# Altium PCB AirPi_Sensor.PcbDoc (continued)
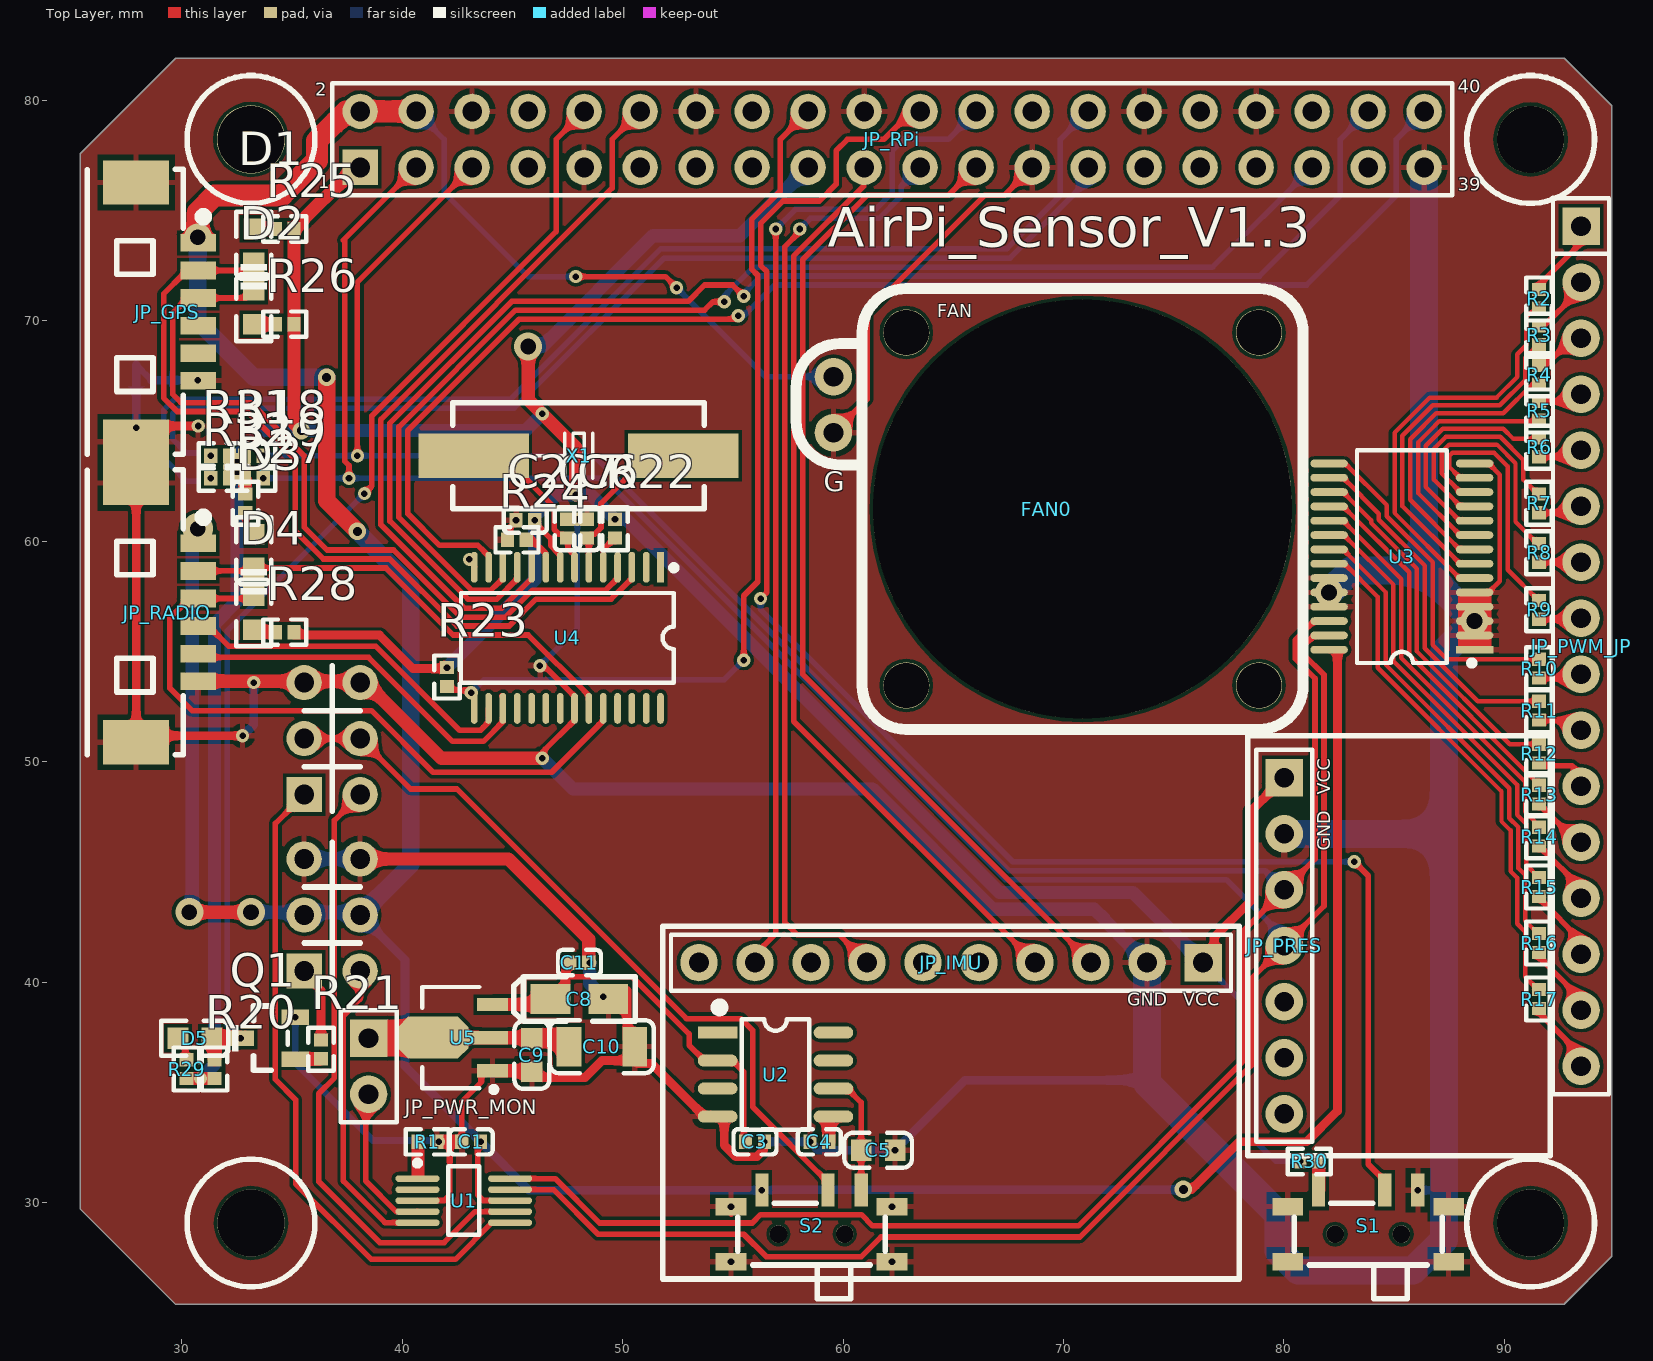
[diagram p0: Top Layer view]
## Part data (continued)
JP_GPS JP_RADIO: library part "Header 6", "6P接插件", BOM名称=6P接, 学习资源=www.ooocke.
JP_IIC0: library part "Header 4", "4P接插件", BOM名称=4P接, 学习资源=www.ooocke.
JP_IMU: library part "Header 10", "10P接插件", BOM名称=10P接, 学习资源=www.ooocke.
JP_PRES: library part "Header 7", "7P接插件", BOM名称=7P接, 学习资源=www.ooocke.
JP_PWM_JP: library part "Header 16", "16P接插件", BOM名称=16P接, 学习资源=www.ooocke.
JP_PWR_MON: library part "Header 2", "2P接插件", BOM名称=2P接, 学习资源=www.ooocke.
JP_RPi: library part "Header 20X2", "20*2P接插件"
Q1: library part "SOT-23 SS8050 Y1", "三极管", Package=SOT-23, SuppliersPartNumber=C2150, ComponentLink1Description=供应商, ComponentLink1URL=http://www.szlcsc.com/product/details_2507.html, Supplier=LC
R1 R18 R19 R20 R22 R30: library part "0402 10KΩ (1002) 1%", "贴片电阻", Package=0402, SuppliersPartNumber=C25744, ComponentLink1Description=供应商, ComponentLink1URL=http://www.szlcsc.com/product/details_26487.html, Supplier=LC
R2 R3 R4 R5 R6 R7 R8 R9 R10 R11 R12 R13 R14 R15 R16 R17: library part "0402 220Ω (2200) 1%", "贴片电阻", Package=0402, SuppliersPartNumber=C25091, ComponentLink1Description=供应商, ComponentLink1URL=http://www.szlcsc.com/product/details_25834.html, Supplier=LC
R21 R23 R24 R26 R28 R29: library part "0402 1KΩ (1001) 1%", "贴片电阻", Package=0402, SuppliersPartNumber=C11702, ComponentLink1Description=供应商, ComponentLink1URL=http://www.szlcsc.com/product/details_12256.html, Supplier=LC
R25 R27: library part "0402 470Ω (4700) 1%", "贴片电阻", Package=0402, SuppliersPartNumber=C25117, ComponentLink1Description=供应商, ComponentLink1URL=http://www.szlcsc.com/product/details_25860.html, Supplier=LC
R31 R32: library part "0402 3.3KΩ (3301) 1%", "贴片电阻", Package=0402, SuppliersPartNumber=C25890, ComponentLink1Description=供应商, ComponentLink1URL=http://www.szlcsc.com/product/details_26633.html, Supplier=LC
S1 S2: library part SSW-1P, "1路波动开关", BOM名称=²¨¶, 学习资源=www.ooocke.
U1: "16-Bit ADC with Integrated Multiplexer, PGA, Comparator, Oscillator, and Reference, -40 to 125 degC, 10-pin SOP (DGS10), Green (RoHS & no Sb/Br)", Analog Voltage AV/DD(Max)(V)=5.5, Analog Voltage AV/DD(Min)(V)=2, Manufacturer="Texas Instruments", Supplier Part Number 1=296-13060-2-ND, # Input Channels=4, Architecture=Delta-Sigma, Code_JEDEC=MO-153, ComponentLink1Description="Manufacturer URL", ComponentLink1URL=http://www.ti.com/, ComponentLink2Description=Datasheet, ComponentLink2URL=http://www.ti.com/general/docs/lit/getliterature.tsp?genericPartNumber=ADS1115&fileType=pdf, ComponentLink3Description="Package Specification", ComponentLink3URL=http://www.ti.com/lit/ml/mpds035b/mpds035b.pdf, DatasheetVersion=SBAS444B, Digital Supply(Max)(V)=5.5, Digital Supply(Min)(V)=2, Eco-Plan="Green (RoHS & no Sb/Br)", INL(Max)(+/-LSB)=1, Interface="Serial I2C", Mounting Technology="Surface Mount", PackageDescription="10-Pin Plastic Small Outline, Body 3 x 3 mm, Pitch 0.5 mm", PackageReference=DGS10, PackageVersion="4073272/C, 02/2004", PartNumber=ADS1115IDGSR, Resolution(Bits)=16, Sample Rate (max)(SPS)=860, SubFamily="Precision ADC (<=10MSPS)", Supplier 1=Digi-Key, Supplier 2=Digi-Key, Supplier 3=Digi-Key, Supplier 4=Newark, Supplier 5=Mouser, Supplier Part Number 2=296-13060-1-ND, Supplier Part Number 3=296-13060-6-ND, Supplier Part Number 4=74C7007, Supplier Part Number 5=595-ADS1253E/2K5
U2: "高精度电压基准"
U3: "16-channel, 12-bit PWM Fm+ I2C-bus LED controller"
U5: "100mA Low Power LDO, Output Voltage 6.0V, SOT89 Pkg", Code_IPC=SOT89, ComponentLink1Description="Manufacturer URL", ComponentLink1URL=http://www.holtek.com/, ComponentLink2Description=Datasheet, ComponentLink2URL=http://www.holtek.com/pdf/consumer/75xx_1v180.pdf, ComponentLink3Description="Package Specification", ComponentLink3URL=http://www.holtek.com/english/literature/package.pdf, DatasheetVersion="Rev1.80, Mar-2010", PackageDescription="3-Pin SOT-89 Package 1.5 mm Pitch, 4.1 mm Lead Span", PackageReference=SOT89, PackageVersion=25/05/2010
X1: library part XTAL-2P, "2脚无源脚晶振", BOM名称=2½ÅÎÞÔ, 学习资源=www.ooocke., 负载电容=CL1

## Free pads (board coordinates)
  round 3.1 hole 3.05: FH0(33.147,78.232)
  round 3.05 hole 3.05: FH1(91.186,78.232) FH2(91.186,29.083) FH3(33.147,29.083)

## Via types
v1: diameter 0.6, hole 0.3, Top Layer to Bottom Layer, 50 vias
v2: diameter 1.27, hole 0.711, Top Layer to Bottom Layer, 7 vias
v3: diameter 0.8, hole 0.4, Top Layer to Bottom Layer, 4 vias
v4: diameter 1.4, hole 0.711, Top Layer to Bottom Layer, 1 vias

## Nets (pads, with @x,y where several pads share a name; then routed paths per layer and width w, separated by ;. In a path a pad name is that pad's centre, name@x,y a point inside that pad or via, vN(x,y) a via of type N, cw(c..) or ccw(c..) an arc to the next point about the centre after c; other vN are vias at no path point)
3V3: C2.1 JP_IMU.1 JP_PRES.1 JP_RPi.1 JP_RPi.17 R18.1 R19.1 R20.2 R22.1 R23.1 R25.1 R26.1 R27.1 R28.1 R29.1 R30.2 R31.2 R32.1 U4.8 | length 162.2
  Top Layer w0.254: R27.1@32.871,62.169 R27.1 ; v1(46.018,60.96) 46.018,60.935 46.191,60.762 46.191,60.676 46.736,60.131 46.736,59.817 47.164,59.389 47.164,58.835 U4.8
  Top Layer w0.4: R28.1@35.096,55.753 38.972,55.753 40.496,54.229 41.743,54.229 41.912,54.398 41.912,54.373 42.012,54.273 v1(42.037,54.273) ; JP_IMU.1 76.835,41.402 76.835,42.037 78.486,43.688 78.486,47.752 JP_PRES.1
  Top Layer w0.6: R29.1 v1(30.861,35.643) R20.2 ; R27.1@32.871,62.169 R19.1@32.871,62.843 ; v3(35.433,65.024) 35.096,65.361 R26.1 R25.1 JP_RPi.1@37.804,76.877 ; v2(45.72,68.834) 45.72,66.421 v1(46.355,65.786) 47.879,64.262 v1(47.879,62.103)
  Bottom Layer w0.254: JP_IMU.1 78.74,38.481 78.74,32.766 79.629,31.877 v1(80.728,31.877)
  Bottom Layer w0.6: v1(30.861,35.643) 31.496,36.278 31.496,56.261 32.512,57.277 v2(32.512,63.373) 32.512,63.881 33.655,65.024 v3(35.433,65.024) 45.593,65.024 v1(46.355,65.786) ; v1(42.037,54.273) 46.018,58.254 v1(46.018,60.96) 46.018,61.131 46.99,62.103 v1(47.879,62.103) 48.558,62.103 v1(49.657,61.004) 50.169,61.004 67.104,44.069 73.152,44.069 75.777,41.444 JP_IMU.1 ; v2@45.847,68.961 v2(45.72,68.834) 46.355,68.834 51.379,73.858 55.316,73.858 JP_RPi.17
5V: C1.1 FAN0.7 JP1115CH1&2.3 JP1115CH1&2.4 JP_GPS.1 JP_IIC0.1 JP_RADIO.1 JP_RPi.2 JP_RPi.4 S2.1 U1.8 U3.28 | length 180.6
  Top Layer w0.254: v1(43.561,32.766) 43.434,32.639 43.434,30.353 43.688,30.099 U1.8 ; v1(47.879,72.009) 51.943,72.009 v1(52.451,71.501) ; U3.28 82.379,55.084 U3.28@82.423,55.04
  Top Layer w0.4: v3(75.438,30.607) 75.819,30.607 77.978,32.766 81.026,32.766 82.423,34.163 U3.28@82.423,55.04
  Top Layer w0.6: v2(30.353,43.18) v2(33.147,43.18)
  Top Layer w0.8: v3(36.576,67.437) 36.576,61.849 v3(37.973,60.452)
  Top Layer w1: v2(30.734,73.787) 30.734,74.93 31.496,75.692 34.544,75.692 36.131,77.279 36.131,78.168 37.465,79.502 JP_RPi.4
  Bottom Layer w0.254: JP_RPi.4 41.91,78.232 41.91,75.819 45.72,72.009 v1@47.625,72.009 ; v1(52.451,71.501) 56.485,67.467 FAN0.7
  Bottom Layer w0.4: JP1115CH1&2.4 40.132,41.021 40.132,36.195 v1(43.561,32.766) 45.756,30.571 v1(56.321,30.571) 56.769,30.571 ; 56.769,30.589 75.42,30.589 v3(75.438,30.607)
  Bottom Layer w0.6: v2(30.353,43.18) 30.48,43.307 30.48,60.325 v4(30.734,60.579) ; v2(33.147,43.18) 37.973,43.18 JP1115CH1&2.4
  Bottom Layer w0.8: v2(30.734,73.787) 30.734,69.977 33.274,67.437 v3(36.576,67.437) ; v3(37.973,60.452) 40.386,58.039 40.386,45.339 JP1115CH1&2.4
ADS1115_CH2: JP1115CH1&2.2 U1.5 | length 14
  Top Layer w0.254: JP1115CH1&2.2 38.1,39.243 37.338,38.481 37.338,30.988 39.227,29.099 U1.5
ADS1115_CH4: JP1115CH3&4.2 U1.7 | length 28.7
  Top Layer w0.254: JP1115CH3&4.2 36.932,47.346 36.932,35.662 36.22,34.95 36.22,30.963 38.989,28.194 41.91,28.194 43.315,29.599 U1.7
CSN: JP_RPi.12 U4.10 | length 33.1
  Top Layer w0.254: U4.10 45.873,58.319 44.527,56.972 42.82,56.972 39.04,60.752 39.04,65.529 49.53,76.019 49.53,78.232 JP_RPi.12
CTSB: JP_RADIO.4 U4.16 | length 15.9
  Top Layer w0.254: JP_RADIO.4 31.024,55.885 31.491,55.885 32.131,55.245 38.802,55.245 42.612,51.435 43.561,51.435 43.914,51.788 43.914,52.417 U4.16
GND: C1.2 C2.2 C3.1 C4.2 C5.1 C6.1 C7.1 C8.2 C9.1 C10.2 C11.2 FAN0.6 JP1115CH1&2.5 JP1115CH1&2.6 JP1115CH3&4.5 JP1115CH3&4.6 JP_GPS. JP_GPS.6 JP_IIC0. JP_IIC0.4 JP_IMU.2 JP_PRES.2 JP_RADIO. JP_RADIO.6 JP_RPi.6 JP_RPi.9 JP_RPi.14 JP_RPi.20 JP_RPi.25 JP_RPi.30 JP_RPi.34 JP_RPi.39 Q1.2 R1.2 R24.1 S1. S1.3 S2. U1.3 U2.4 U3.1 U3.2 U3.3 U3.4 U3.5 U3.14 U3.23 U3.24 U3.25 U4.14 U4.22 U5.1 | length 272.8
  Top Layer w0.203: U3.5 89.279,57.684 89.392,57.797 89.392,57.801 89.789,58.197 89.789,63.021 U3.14@89.295,63.514
  Top Layer w0.254: JP_GPS.@27.94,64.516 JP_GPS.@28.658,65.234 ; U1.3 41.91,30.099 42.164,30.353 42.164,32.766 ; C1.2@42.545,32.766 C1.2 42.711,34.591 43.594,35.474 43.594,35.816 43.767,35.989 U5.1 ; U4.14@43.252,59.208 43.273,59.187 U4.14 ; R24.1 44.901,60.185 44.901,60.668 45.168,60.935 v1(45.168,60.96) ; v1(46.251,54.356) 46.317,54.29 46.509,54.29 47.823,52.976 U4.22 47.823,51.887 46.355,50.419 v1(46.355,50.165) ; S2.@54.921,29.489 v1(54.921,29.825) ; C3.1@56.259,32.593 v1(56.432,32.766) ; FAN0.6 61.087,66.447 61.087,70.358 66.421,75.692 67.31,75.692 JP_RPi.25 ; U3.14@88.878,63.571 U3.14@88.914,63.535
  Top Layer w0.4: JP_RADIO.@27.94,50.887 JP_RADIO.@27.94,62.651 ; JP_GPS.@28.658,65.234 v1(30.751,65.234) ; JP_RADIO.@28.829,51.181 v1(32.766,51.181) ; C9.1@46.133,35.687 48.3,35.687 49.062,36.449 C10.2@50.252,36.449 ; C10.2@50.205,37.431 C8.2@50.205,39.624 ; C10.2@50.673,36.322 51.308,36.322 53.723,33.907 54.543,33.907 54.61,33.84 54.61,32.615 55.136,32.089 56.092,32.089 56.388,32.385
  Top Layer w0.6: JP_RADIO.6 35.56,53.658 38.29,53.658 41.783,50.165 v1(46.355,50.165) ; JP1115CH1&2.6 44.831,45.593 48.471,41.953 C11.2 ; U5.1 C9.1@45.831,35.989
  Top Layer w0.65: R1.2@41.783,32.766 C1.2@42.545,32.766
  Bottom Layer w0.254: JP_IIC0.@27.94,68.005 JP_IIC0.@28.635,67.31 ; v1(46.251,54.356) 47.95,56.055 v1(47.95,61) ; 87.158,30.571 87.249,30.48
  Bottom Layer w0.3: v1(35.159,38.415) 35.159,36.342 38.678,32.823 41.599,32.823 v1(41.656,32.766)
  Bottom Layer w0.4: v1(27.94,65.151) JP_IIC0.@27.94,68.005 ; JP_IIC0.@28.635,67.31 v1(30.734,67.31) ; v1(32.766,51.181) 33.274,51.689 v1(33.274,53.594) ; v1(56.432,32.766) 56.486,32.766 v1(58.503,32.766) 58.884,32.385 v1(62.357,32.385) 65.532,35.56 73.787,35.56 ; v1(86.07,30.571) 87.158,30.571
  Bottom Layer w0.6: JP1115CH1&2.5 JP1115CH1&2.6 ; v1(46.355,50.165) 47.752,48.768 61.341,48.768 66.792,43.317 71.394,43.317 71.882,42.829 71.882,42.799 JP_IMU.2 ; v1(48.514,40.894) 48.514,39.946 v1(49.119,39.34)
  Bottom Layer w1.27: 73.787,35.433 79.756,29.464 79.756,27.813 80.645,26.924 85.852,26.924 87.249,28.321 87.249,30.48 87.249,46.736 ; 73.787,35.56 JP_IMU.2 ; JP_PRES.2 87.249,46.736 ; v2(82.044,57.684) 83.028,58.668 86.36,58.668 ; JP_RPi.39 86.36,58.668 ; 86.36,58.668 v2(88.644,56.384) 87.249,54.989 87.249,46.736
  other v1: 54.921,27.325 62.221,27.325 62.221,29.825 43.053,59.182
GPCLK0_BCM4: JP_RPi.7
GPCLK1_BCM5: JP_RPi.29
GPCLK2_BCM6: JP_RPi.31
I_airspeed: JP1115CH3&4.1 U1.6 | length 30.4
  Top Layer w0.254: JP1115CH3&4.1 34.255,47.209 34.255,35.595 35.179,34.671 35.179,30.861 38.608,27.432 42.418,27.432 44.085,29.099 U1.6
I_batt: JP_PWR_MON.2 U1.4 | length 6.2
  Top Layer w0.254: JP_PWR_MON.2@39.116,34.925 38.354,34.163 38.354,30.987 U1.4@39.75,29.591 ; U1.4@40.694,29.604 U1.4
IIC0SCL_BCM1: JP_IIC0.2 JP_RPi.28 R32.2 | length 53.2
  Bottom Layer w0.254: JP_IIC0.2 30.23,62.734 29.185,63.779 29.185,65.954 29.677,66.446 44.917,66.446 51.749,73.279 67.437,73.279 69.85,75.692 69.85,78.232 JP_RPi.28
  other v1: 31.325,62.865
IIC0SDA_BCM0: JP_IIC0.3 JP_RPi.27 R31.1 | length 49.1
  Bottom Layer w0.254: JP_IIC0.3 30.727,64.008 30.226,64.008 29.591,64.643 29.591,65.786 29.845,66.04 45.085,66.04 51.892,72.847 56.391,72.847 60.528,72.847 67.58,72.847 71.12,76.387 JP_RPi.27
  other v1: 31.325,63.881
IIC1SCL_BCM3: JP_PRES.3 JP_RPi.5 R18.2 U1.10 U3.26 | length 130.1
  Top Layer w0.254: v1(37.973,63.881) 37.973,71.755 JP_RPi.5 ; U1.10 46.946,31.099 48.962,29.083 55.88,29.083 56.261,29.464 60.833,29.464 61.341,28.956 70.672,28.956 78.105,36.389 78.105,42.291 JP_PRES.3 81.407,45.593 81.407,53.781 80.508,54.68 80.508,55.523 81.369,56.384 U3.26
  Bottom Layer w0.254: v1(33.699,63.881) 48.708,63.881 67.529,45.06 79.146,45.06 JP_PRES.3 ; JP_RPi.5@43.053,76.962 JP_RPi.5
IIC1SDA_BCM2: JP_PRES.4 JP_RPi.3 R19.2 U1.9 U3.27 | length 131.5
  Top Layer w0.254: v1(37.592,62.865) 37.592,63.443 37.394,63.641 37.394,73.604 37.338,73.66 JP_RPi.3 ; U1.9 46.871,30.599 48.895,28.575 55.499,28.575 56.515,27.559 60.833,27.559 61.722,28.448 70.739,28.448 78.511,36.22 78.511,40.157 JP_PRES.4 81.813,43.459 81.813,53.95 80.915,54.848 80.915,55.272 81.376,55.734 U3.27
  Bottom Layer w0.254: v1(33.699,62.865) 49.149,62.865 67.361,44.653 77.394,44.653 80.01,42.037 JP_PRES.4
IRQ: JP_RPi.18 R23.2 U4.15 | length 41.3
  Top Layer w0.254: R23.2 42.21,53.25 43.016,53.25 v1(43.134,53.132) 43.252,53.014 43.252,52.808 43.273,52.787 U4.15 ; v1(55.499,54.61) 55.499,57.531 56.134,58.166 56.134,72.069 55.855,72.349 55.855,74.59 57.15,75.886 57.15,78.232 JP_RPi.18
  Bottom Layer w0.254: v1(43.134,53.132) 43.723,53.721 54.61,53.721 v1(55.499,54.61)
MISO: JP_RPi.35 U4.12 | length 57.4
  Top Layer w0.254: U4.12 44.573,58.288 44.552,58.267 44.515,58.267 44.352,58.104 44.352,58.098 44.039,57.785 43.157,57.785 39.853,61.089 39.853,65.192 45.145,70.485 53.721,70.485 54.102,70.866 v1(54.61,70.866)
  Bottom Layer w0.254: v1(54.61,70.866) 54.61,71.12 55.931,72.441 56.559,72.441 76.759,72.441 JP_RPi.35
MOSI: JP_RPi.38 U4.11 | length 64.8
  Top Layer w0.254: U4.11 45.223,58.304 44.298,57.379 42.988,57.379 39.446,60.921 39.446,65.361 44.977,70.891 52.984,70.891 53.721,71.628 54.991,71.628 v1(55.499,71.12)
  Bottom Layer w0.254: v1@55.435,71.183 56.286,72.034 56.728,72.034 78.892,72.034 82.55,75.692 82.55,78.232 JP_RPi.38
NetC3_2: C3.2 C8.1 C11.1 U2.2 U5.3 | length 16.2
  Top Layer w0.254: 47.498,40.259 50.419,40.259 53.023,37.655 53.023,37.148 U2.2@53.594,36.576 ; C11.1 C11.1@47.752,41.025 ; U2.2 54.991,36.449 55.499,35.941 C3.2@55.499,32.893
  Top Layer w0.4: C8.1@47.411,39.791 C11.1@47.411,41.021
  Top Layer w0.6: U5.3 C8.1@46.482,38.989
NetC4_1: C4.1 U2.5 | length 1.3
  Top Layer w0.254: U2.5@59.353,33.772 59.49,33.909 U2.5
  Top Layer w0.6: C4.1 U2.5@59.353,33.772
NetC6_2: C6.2 U4.6 X1.1 | length 5.6
  Top Layer w0.254: U4.6 48.473,60.068 C6.2 48.56,60.327 48.73,60.327 49.022,60.619 49.022,61.722 50.292,62.992 X1.1@50.8,62.992
NetC7_2: C7.2 U4.7 X1.2 | length 7.3
  Top Layer w0.254: X1.2@43.637,63.754 44.704,63.754 46.894,61.564 46.894,60.548 47.115,60.327 47.3,60.327 C7.2@47.371,60.256 ; C7.2 47.523,60.154 47.523,59.69 47.823,59.39 U4.7
NetD1_A: D1.A R25.2 | length 1
  Top Layer w0.254: D1.A D1.A@33.282,74.168
  Top Layer w0.6: D1.A@33.282,74.168 R25.2
NetD2_A: D2.A R26.2 | length 1
  Top Layer w0.254: D2.A D2.A@33.282,69.85
  Top Layer w0.6: D2.A@33.282,69.85 R26.2
NetD3_A: D3.A R27.2 | length 1.1
  Top Layer w0.254: R27.2 32.911,61.279 32.911,60.671 33.249,60.333 D3.A
NetD4_A: D4.A R28.2 | length 1
  Top Layer w0.254: D4.A D4.A@33.393,55.88
  Top Layer w0.6: D4.A@33.393,55.88 R28.2
NetD5_A: D5.A R29.2 | length 1.1
  Top Layer w0.254: D5.A 30.175,37.127 30.175,36.544 R29.2
NetJP1115CH3&4_3: JP1115CH3&4.3 JP1115CH3&4.4 S2.2 | length 34.5
  Top Layer w0.254: JP1115CH3&4.3 JP1115CH3&4.4 40.386,48.768 42.485,48.768 52.899,38.354 55.372,38.354 55.905,37.821 55.905,34.343 59.321,30.928 S2.2
NetQ1_1: Q1.1 R21.2 | length 1.2
  Top Layer w0.254: Q1.1 Q1.1@35.168,36.523 ; R21.2@36.314,36.523 R21.2
  Top Layer w0.6: Q1.1@35.168,36.523 R21.2@36.314,36.523
NetR1_1: R1.1 U1.1 | length 1.5
  Top Layer w0.6: 40.723,31.258 R1.1
NetR2_2: R2.2 U3.6 | length 18.7
  Top Layer w0.203: U3.6@88.896,58.353 87.951,58.353 85.014,61.29 85.014,64.932 86.604,66.523 89.642,66.523 90.576,67.457 90.576,68.485 90.988,68.897 90.988,70.172 91.237,70.421 R2.2@91.376,70.421
NetR3_2: R3.2 U3.7 | length 16.3
  Top Layer w0.203: U3.7@88.896,59.003 87.968,59.003 85.369,61.601 85.369,64.785 86.751,66.167 89.789,66.167 90.932,67.31 90.932,68.338 91.312,68.719 91.369,68.719 R3.2
NetR4_2: R4.2 U3.8 | length 13.7
  Top Layer w0.203: U3.8@88.896,59.653 87.953,59.653 85.725,61.881 85.725,64.633 86.364,65.272 86.364,65.277 86.899,65.811 89.941,65.811 91.269,67.139 R4.2
NetR5_2: R5.2 U3.9 | length 11.8
  Top Layer w0.203: U3.9@88.896,60.303 87.97,60.303 86.081,62.192 86.081,64.485 86.83,65.235 86.83,65.24 87.046,65.456 91.535,65.456 R5.2
NetR6_2: R6.2 U3.10 | length 10.1
  Top Layer w0.203: U3.10 87.969,60.934 86.436,62.467 86.436,64.338 87.198,65.1 89.951,65.1 90.409,64.643 R6.2@91.313,64.643
NetR7_2: R7.2 U3.11 | length 10.1
  Top Layer w0.203: U3.11@88.006,61.59 86.792,62.805 86.792,64.176 86.868,64.252 86.868,64.267 87.345,64.745 89.804,64.745 90.856,63.693 90.856,62.804 R7.2@91.371,62.288 ; U3.11@88.239,61.621 U3.11@88.878,61.621
  Top Layer w0.254: U3.11@88.878,61.621 U3.11@88.896,61.603
NetR8_2: R8.2 U3.12 | length 10.3
  Top Layer w0.203: U3.12@87.884,62.357 87.147,63.094 87.147,64.028 87.249,64.13 87.249,64.145 87.493,64.389 89.657,64.389 90.5,63.546 90.5,60.884 R8.2@91.313,60.071 ; U3.12@88.224,62.271 U3.12@88.878,62.271
  Top Layer w0.254: U3.12@88.878,62.271 U3.12@88.896,62.253
NetR9_2: R9.2 U3.13 | length 11.4
  Top Layer w0.203: U3.13@87.884,62.992 87.503,63.373 87.503,63.881 87.63,64.008 89.535,64.008 90.145,63.398 90.145,58.718 91.542,57.321 R9.2 ; U3.13@88.209,62.921 U3.13@88.878,62.921
  Top Layer w0.254: U3.13@88.878,62.921 U3.13@88.896,62.903
NetR10_2: R10.2 U3.15 | length 14.9
  Top Layer w0.203: U3.15@82.804,63.5 84.658,61.646 84.658,61.143 86.741,59.06 86.741,55.3 87.393,54.649 R10.2@91.562,54.649
  Top Layer w0.254: R10.2@91.562,54.649 R10.2
NetR11_2: R11.2 U3.16 | length 15.3
  Top Layer w0.203: U3.16@82.749,62.81 84.303,61.257 84.303,60.985 86.385,58.903 86.385,55.153 88.79,52.749 R11.2
NetR12_2: R12.2 U3.17 | length 15.7
  Top Layer w0.203: U3.17@82.805,62.104 83.947,60.963 83.947,60.838 86.03,58.755 86.03,55.006 90.236,50.8 R12.2
NetR13_2: R13.2 U3.18 | length 16.3
  Top Layer w0.203: U3.18@82.804,61.468 85.674,58.598 85.674,54.859 91.384,49.149 91.567,49.149 R13.2
NetR14_2: R14.2 U3.19 | length 17.5
  Top Layer w0.203: U3.19@82.79,60.819 85.319,58.291 85.319,54.711 90.932,49.098 90.932,47.74 91.638,47.034 R14.2
NetR15_2: R15.2 U3.20 | length 19.1
  Top Layer w0.203: U3.20@82.804,60.198 84.963,58.039 84.963,54.564 90.576,48.951 90.576,47.593 90.988,47.181 90.988,45.327 R15.2
NetR16_2: R16.2 U3.21 | length 20.8
  Top Layer w0.203: U3.21@82.677,59.563 82.747,59.563 84.607,57.702 84.607,54.417 90.221,48.803 90.221,47.445 90.632,47.034 90.632,45.18 90.932,44.88 90.932,42.799 R16.2@91.313,42.418
NetR17_2: R17.2 U3.22 | length 23.5
  Top Layer w0.203: U3.22@82.296,59.003 82.729,59.003 84.252,57.48 84.252,54.269 89.865,48.656 89.865,47.298 90.277,46.886 90.277,45.032 90.576,44.733 90.576,42.652 90.932,42.296 90.932,40.259 91.523,39.668 R17.2
NetR22_2: R22.2 U4.5 | length 1.6
  Top Layer w0.254: U4.5 49.123,59.62 49.459,59.956 49.459,59.981 49.632,60.154 R22.2
NetR24_2: R24.2 U4.9 | length 1.8
  Top Layer w0.254: R24.2 45.637,60.046 45.932,60.046 46.514,59.464 46.514,58.835 U4.9
NetR30_1: R30.1 S1.1 | length 1.3
  Top Layer w0.254: S1.1 S1.1@81.574,30.575 ; R30.1@81.574,31.873 R30.1
  Top Layer w0.6: S1.1@81.574,30.575 R30.1@81.574,31.873
PWM0: JP_PWM_JP.1 R2.1 | length 3.7
  Top Layer w0.254: R2.1 91.567,71.628 93.472,73.533 JP_PWM_JP.1
PWM0_BCM12: JP_RPi.32
PWM1: JP_PWM_JP.2 R3.1 | length 2.3
  Top Layer w0.254: R3.1 R3.1@91.74,69.94 ; R3.1@91.821,69.802 JP_PWM_JP.2@93.242,71.223
PWM1_BCM13: JP_RPi.33
PWM2: JP_PWM_JP.3 R4.1 | length 2.4
  Top Layer w0.254: R4.1@91.694,67.818 93.091,69.215 JP_PWM_JP.3
PWM3: JP_PWM_JP.4 R5.1 | length 2
  Top Layer w0.254: R5.1 92.744,66.338 93.081,66.675 JP_PWM_JP.4
PWM4: JP_PWM_JP.5 R6.1 | length 2
  Top Layer w0.254: R6.1 92.783,63.837 93.081,64.135 JP_PWM_JP.5
PWM5: JP_PWM_JP.6 R7.1 | length 2
  Top Layer w0.254: R7.1 92.783,61.297 93.081,61.595 JP_PWM_JP.6
PWM6: JP_PWM_JP.7 R8.1 | length 1.9
  Top Layer w0.254: R8.1 JP_PWM_JP.7
PWM7: JP_PWM_JP.8 R9.1 | length 1.9
  Top Layer w0.254: R9.1 93.428,56.471 JP_PWM_JP.8
PWM8: JP_PWM_JP.9 R10.1 | length 2
  Top Layer w0.254: R10.1 93.301,53.804 JP_PWM_JP.9
PWM9: JP_PWM_JP.10 R11.1 | length 1.8
  Top Layer w0.254: R11.1 JP_PWM_JP.10@93.345,51.899
PWM10: JP_PWM_JP.11 R12.1 | length 1.9
  Top Layer w0.254: R12.1@91.567,49.823 93.052,49.823 JP_PWM_JP.11@93.345,49.53
PWM11: JP_PWM_JP.12 R13.1 | length 1.9
  Top Layer w0.254: R13.1 JP_PWM_JP.12@92.879,46.778
PWM12: JP_PWM_JP.13 R14.1 | length 2.5
  Top Layer w0.254: R14.1 91.592,46.184 91.765,46.011 91.765,45.986 JP_PWM_JP.13@93.323,44.428
PWM13: JP_PWM_JP.14 R15.1 | length 2.6
  Top Layer w0.254: R15.1@91.694,43.898 91.694,43.688 JP_PWM_JP.14@93.408,41.974
PWM14: JP_PWM_JP.15 R16.1 | length 3.4
  Top Layer w0.254: R16.1 91.567,41.148 93.472,39.243 JP_PWM_JP.15
PWM15: JP_PWM_JP.16 R17.1 | length 3.1
  Top Layer w0.254: R17.1@91.462,38.713 93.303,36.872 JP_PWM_JP.16@93.513,36.872 ; R17.1 91.592,38.818 R17.1@91.765,38.645
RTSB: JP_RADIO.5 U4.17 | length 17.1
  Top Layer w0.254: JP_RADIO.5 30.921,54.737 38.483,54.737 42.293,50.927 43.688,50.927 44.577,51.816 44.577,52.422 U4.17 44.573,52.963 44.552,52.985 U4.17@44.515,52.985
RXA: D2.K JP_GPS.3 U4.4 | length 35.3
  Top Layer w0.254: D2.K 32.929,71.037 JP_GPS.3 30.503,70.789 30.022,70.789 29.591,70.358 29.591,66.675 29.972,66.294 33.147,66.294 35.56,63.881 35.56,60.646 36.6,59.606 39.612,59.606 42.652,56.566 44.695,56.566 45.914,57.785 49.239,57.785 49.552,58.098 49.552,58.104 49.715,58.267 49.752,58.267 49.773,58.288 U4.4
RXB: D4.K JP_RADIO.3 U4.24 | length 30.2
  Top Layer w0.254: D4.K 33.143,57.408 JP_RADIO.3 30.351,57.408 29.464,56.521 29.464,53.34 30.48,52.324 38.608,52.324 41.402,49.53 46.79,49.53 49.123,51.863 U4.24
RXD_BCM15: D5.K JP_RPi.10 Q1.3 R20.1 | length 51.6
  Top Layer w0.254: D5.K D5.K@31.496,37.346 ; Q1.3 v1(32.67,37.465) Q1.3@32.893,37.688 ; v1(38.291,62.166) 38.633,62.509 38.633,65.697 46.99,74.054 46.99,78.232 JP_RPi.10
  Top Layer w0.6: R20.1 D5.K@31.496,37.346
  Top Layer w0.7: D5.K Q1.3
  Bottom Layer w0.254: v1(32.67,37.465) 32.075,38.06 32.075,55.951 v1(38.291,62.166)
SBUS_SIGNAL: JP1115CH1&2.1 R21.1 | length 2.6
  Top Layer w0.4: JP1115CH1&2.1@36.068,39.878 36.322,39.624 R21.1
SCLK: JP_RPi.40 U4.13 | length 62.2
  Top Layer w0.254: U4.13 43.923,59.363 43.902,59.385 43.865,59.385 43.702,59.548 43.702,59.554 43.439,59.817 41.699,59.817 40.259,61.257 40.259,65.024 45.314,70.079 v1@55.245,70.079
  Bottom Layer w0.254: v1@55.372,70.104 56.896,71.628 81.026,71.628 85.09,75.692 85.09,78.232 JP_RPi.40
  other v1: 55.245,70.231
SDIOCLK_BCM22: JP_RPi.15
SDIOCMD_BCM23: JP_RPi.16
SDIODAT1_BCM25: JP_RPi.22 S1.2 | length 75.5
  Top Layer w0.254: v1(56.261,57.404) 56.54,57.683 56.54,72.238 56.261,72.517 56.261,74.422 57.277,75.438 58.928,75.438 59.69,76.2 59.69,77.724 60.198,78.232 61.849,78.232 63.119,79.502 JP_RPi.22 ; v1(83.185,45.466) 83.82,44.831 83.82,31.75 84.57,31 S1.2
  Bottom Layer w0.254: v1(56.261,57.404) 56.261,56.902 67.697,45.466 v1(83.185,45.466) ; JP_RPi.22@63.119,79.502 JP_RPi.22
SDIODAT2_BCM26: JP_RPi.37
SDIODAT3_BCM27: JP_RPi.13
SPI0CE0_BCM8: JP_IMU.9 JP_RPi.24 | length 46.1
  Top Layer w0.254: JP_IMU.9 56.388,41.275 56.388,41.656 56.947,42.215 v1(56.947,74.168)
  Bottom Layer w0.254: v1(56.947,74.168) 57.836,75.057 61.468,75.057 62.23,75.819 62.23,77.724 62.738,78.232 64.77,78.232 JP_RPi.24
SPI0CE1_BCM7: JP_RPi.26
SPI0MISO_BCM9: JP_IMU.7 JP_RPi.21 | length 43.1
  Top Layer w0.254: v1(58.039,74.168) 58.039,74.041 57.353,73.355 57.353,42.723 57.912,42.164 59.817,42.164 JP_IMU.7
  Bottom Layer w0.254: v1(58.039,74.168) 58.522,74.651 61.636,74.651 62.636,75.651 62.636,76.098 JP_RPi.21
SPI0MOSI_BCM10: JP_IMU.4 JP_RPi.19 | length 41.9
  Top Layer w0.254: JP_RPi.19 60.944,76.946 60.944,76.098 60.919,76.098 57.76,72.939 57.76,51.841 JP_IMU.4
SPI0SCLK_BCM11: JP_IMU.3 JP_RPi.23 | length 46.9
  Top Layer w0.254: JP_RPi.23 64.77,75.692 61.087,75.692 58.166,72.771 58.166,53.975 JP_IMU.3
SPI1CE1_BCM17: JP_RPi.11
SPI1CE2_BCM16: JP_RPi.36
TXA: D1.K JP_GPS.2 U4.3 | length 37.5
  Top Layer w0.254: JP_GPS.2@30.099,72.136 29.185,71.222 29.185,66.507 29.804,65.888 32.979,65.888 35.154,63.713 35.154,60.477 36.432,59.199 39.443,59.199 42.483,56.159 44.863,56.159 46.082,57.379 49.483,57.379 50.202,58.098 50.202,58.104 50.365,58.267 50.402,58.267 50.423,58.288 U4.3 ; JP_GPS.2 32.9,72.287 33.249,72.636 D1.K
TXB: D3.K JP_RADIO.2 U4.23 | length 20.1
  Top Layer w0.254: JP_RADIO.2 33.139,58.658 D3.K 39.275,58.793 42.315,55.753 45.72,55.753 U4.23@48.45,53.023
TXD_BCM14: JP_RPi.8
V_REF: C5.2 S2.3 U2.6 | length 5.5
  Top Layer w0.254: U2.6 60.198,35.179 60.821,34.556 S2.3
VIN: C9.2 C10.1 JP_PWR_MON.1 U5.2 | length 9
  Top Layer w0.254: U5.2@41.52,37.465 U5.2@41.623,37.362 ; C9.2@45.871,37.489 C9.2
  Top Layer w0.6: U5.2@41.409,37.489 43.909,37.489 C9.2@45.871,37.489
  Top Layer w0.9: C9.2 C10.1@47.183,37.473
  Top Layer w1.6: JP_PWR_MON.1 U5.2@41.52,37.465
pads on no net: "S1. " "S2. " FAN0.8 FAN0.9 FAN0.10 FAN0.11 FAN0.12 JP_GPS.4 JP_GPS.5 JP_IMU.5 JP_IMU.6 JP_IMU.8 JP_IMU.10 JP_PRES.5 JP_PRES.6 JP_PRES.7 U1.2 U2.1 U2.3 U2.7 U2.8 U4.1 U4.2 U4.18 U4.19 U4.20 U4.21 U4.25 U4.26 U4.27 U4.28
copper on no net: | length 2.1
  Bottom Layer w0.254: 89.934,78.232 91.186,78.232 90.551,77.597

## Polygon pours and split planes (outlines as drawn)
GND on Bottom Layer (solid, pour order 2): 29.718,81.915 92.71,81.915 94.869,79.756 94.869,27.559 92.71,25.4 29.718,25.4 25.4,29.718 25.4,77.597
GND on Top Layer (solid, pour order 8): 29.718,81.915 92.71,81.915 94.869,79.756 94.869,27.559 92.71,25.4 29.718,25.4 25.4,29.718 25.4,77.597

## Other copper
Top Layer:
  rectangle net GND: 87.884,54.991 89.408,57.658

## Silkscreen, mask and mechanical layers (free items; w line width, h text height)
Top Overlay:
  circle w0.254: c91.186,29.083 r2.899
  circle w0.254: c33.147,78.232 r2.899
  circle w0.254: c91.186,78.232 r2.899
  circle w0.254: c33.147,29.083 r2.899
  lines w0.254: 92.202,75.517 92.202,75.565 ; 51.816,26.543 77.978,26.543 77.978,42.545 51.816,42.545 51.816,26.543 ; 78.359,32.131 78.359,51.181 92.075,51.181 92.075,32.131 78.359,32.131
  text "AirPi_Sensor_V1.3" at 59.309,72.771 h3.05
  text "VCC" at 82.296,48.514 h1 r90
  text "GND" at 82.296,45.974 h1 r90
  text "GND" at 72.898,38.735 h1
  text "VCC" at 75.438,38.735 h1
Mechanical 1:
  lines w0.254: 25.527,31.115 ccw(c28.702,31.115) 26.457,28.87 28.87,26.457 ccw(c31.115,28.702) 31.115,25.527 91.186,25.527 ccw(c91.186,29.083) 94.742,29.083 94.742,78.232 ccw(c91.186,78.232) 91.186,81.788 31.115,81.788 ccw(c31.115,78.613) 28.87,80.858 26.457,78.445 ccw(c28.702,76.2) 25.527,76.2 25.527,31.115
Mechanical 13:
  lines w0.254: 25.527,31.115 ccw(c28.702,31.115) 26.457,28.87 28.87,26.457 ccw(c31.115,28.702) 31.115,25.527 91.186,25.527 ccw(c91.186,29.083) 94.742,29.083 94.742,78.232 ccw(c91.186,78.232) 91.186,81.788 31.115,81.788 ccw(c31.115,78.613) 28.87,80.858 26.457,78.445 ccw(c28.702,76.2) 25.527,76.2 25.527,31.115

## Text inside footprints (layer, text, board x,y; h text height)
FAN0: Top Overlay "FAN" at 64.267,69.967 h1; Top Overlay "G" at 59.117,61.967 h1.52
JP1115CH1&2: Bottom Overlay "1" at 34.544,39.243 h1.02 r270; Bottom Overlay "2" at 37.084,39.243 h1.02 r270; Bottom Overlay "5" at 34.544,46.482 h1.02 r270; Bottom Overlay "6" at 36.957,46.482 h1.02 r270
JP1115CH3&4: Bottom Overlay "1" at 34.544,47.244 h1.02 r270; Bottom Overlay "2" at 37.084,47.244 h1.02 r270; Bottom Overlay "5" at 34.544,54.483 h1.02 r270; Bottom Overlay "6" at 36.957,54.483 h1.02 r270
JP_RPi: Top Overlay "39" at 87.884,75.692 h1.02; Top Overlay "40" at 87.884,80.137 h1.02; Top Overlay "2" at 36.068,80.01 h1.02; Top Overlay "1" at 36.195,75.819 h1.02